# KiCad board boatcontrol.kicad_pcb (continued)
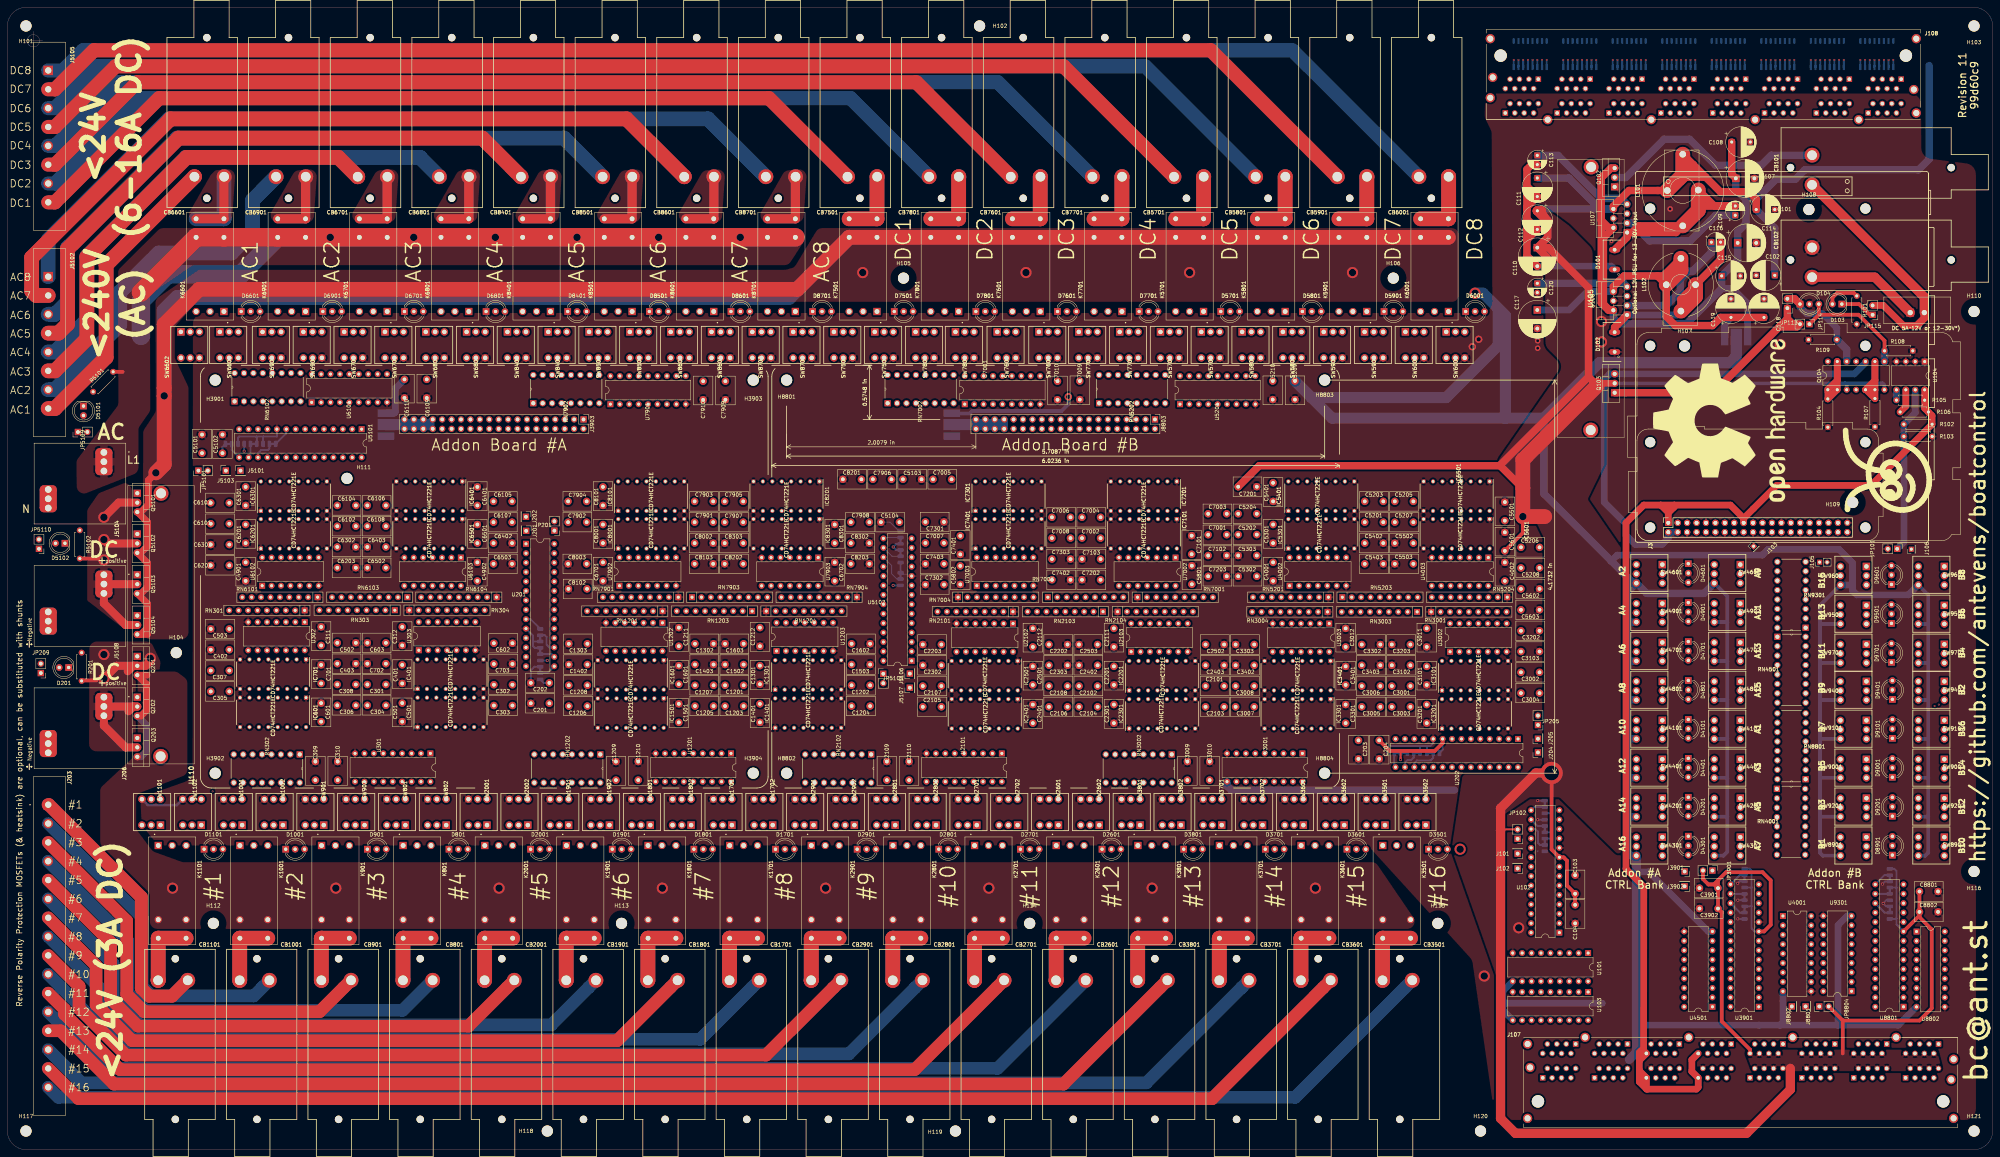
[diagram p0: board, top side]
## Routing (per net, layer and track width the routed paths; a pad name or vN(x,y) marks a point on that pad's centre or on a via; arc(x,y) is an arc through that point) (continued)
/12V DC Common Bank/12C_RAW: length 87.3
  Top w1: 26.54,116.46 J206.1_3 ; 24,126.5 20.12,126.5 R201.2
  Top w2.15: Q201.2 33.91,130.46 32.42,128.97 ; Q201.2 37.26,130.46 38.5,131.7 v2(38.5,132.5) ; Q201.2 29.46,130.46 v2(26,127) ; 32.65,118.2 33.91,119.46 Q202.2 26.04,119.46 J206.1_2 ; Q203.2 31.85,108.46 26,114.31 J206.1_3
  Bottom w2.15: Q203.2 31.85,108.46 26,114.31 J206.1_3 ; J206.1_2 26.04,119.46 Q202.2 33.91,119.46 33.17,118.73 ; 33,129.55 33.91,130.46 Q201.2 29.46,130.46 v2(26,127)
  vias: v2(26,133.5)
/12V DC Common Bank/12V DC Block 1/3AC1/DISABLED_INDICATOR: length 12.4
  In1.Cu w1: SW1101.3 38,89.25 45.5,89.25 SW1102.3
/12V DC Common Bank/12V DC Block 1/3AC1/OFF: length 59
  In1.Cu w0.25: U301.11 95.48,99.21 94.21,97.94 82.06,97.94 79.5,100.5 60.5,100.5 57.73,97.73 44.48,97.73 SW1101.4
/12V DC Common Bank/12V DC Block 1/3AC1/OFF_COIL: length 32.8
  In2.Cu w0.25: RN302.7 62.7,105.73 62.7,102.44 57.63,97.38 56.97,97.38 55.37,95.78 55.37,92.07 54.77,91.47 52.31,91.47 49.75,88.91 SW1102.2
  In2.Cu w1: SW1102.2 49.75,83.6 K1101.8
/12V DC Common Bank/12V DC Block 1/3AC1/OFF_LED: length 23.7
  In2.Cu w0.25: RN302.10 60.97,96.38 57.38,96.38 56.37,95.37 56.37,82.71 D1101.3
/12V DC Common Bank/12V DC Block 1/3AC1/OFF_TO_ON: length 16.4
  In1.Cu w1: SW1101.5 40.5,92.75 47,92.75 SW1102.1
/12V DC Common Bank/12V DC Block 1/3AC1/ON: length 48.5
  In1.Cu w0.25: U301.12 96.78,97.23 54.98,97.23 SW1102.4
/12V DC Common Bank/12V DC Block 1/3AC1/ON_COIL: length 46.9
  In1.Cu w0.25: v8(55.3,96.6) 55.3,85.78 54.4,84.87 42.3,84.87 40.65,83.22 K1101.1
  In1.Cu w1: K1101.1 38.75,83.9 SW1101.2
  In2.Cu w0.25: v8(55.3,96.6) 56.7,98 57.55,98 61,101.45 RN302.8
/12V DC Common Bank/12V DC Block 1/3AC1/ON_LED: length 22.3
  In2.Cu w0.25: D1101.1 53,82.15 55.87,85.02 55.87,95.57 57.18,96.88 58.93,96.88 RN302.9
/12V DC Common Bank/12V DC Block 1/3AC1/ON_TO_OFF: length 23.9
  In1.Cu w1: SW1101.1 43.25,87.5 45,85.75 53.85,85.75 54,85.9 54,90.25 SW1102.5
/12V DC Common Bank/12V DC Block 1/3AC1/TO_FUSE: length 37.7
  Top w4: K1101.5 K1101.4 40.65,45.7 CB1101.P1
  Bottom w4: K1101.5 K1101.4 40.65,45.7 CB1101.P1
/12V DC Common Bank/12V DC Block 1/3AC2/DISABLED_INDICATOR: length 12.4
  In1.Cu w1: SW1002.3 67.5,89.25 60,89.25 SW1001.3
/12V DC Common Bank/12V DC Block 1/3AC2/OFF: length 40
  In1.Cu w0.25: U301.13 98.82,96.73 65.48,96.73 SW1001.4
/12V DC Common Bank/12V DC Block 1/3AC2/OFF_COIL: length 27.5
  In2.Cu w0.25: SW1002.2 67.41,91.84 67.41,105.35 RN302.5
  In2.Cu w1: K1001.8 71.75,83.6 SW1002.2
/12V DC Common Bank/12V DC Block 1/3AC2/OFF_LED: length 24.6
  In2.Cu w0.25: RN302.12 71.69,95.88 74.91,95.88 75.63,95.16 75.63,85.45 D1001.3
/12V DC Common Bank/12V DC Block 1/3AC2/OFF_TO_ON: length 16.5
  In1.Cu w1: SW1002.1 74.25,87.59 69.09,92.75 62.5,92.75 SW1001.5
/12V DC Common Bank/12V DC Block 1/3AC2/ON: length 31.5
  In1.Cu w0.25: U301.14 102.66,98.04 100.83,98.04 99.03,96.23 75.98,96.23 SW1002.4
/12V DC Common Bank/12V DC Block 1/3AC2/ON_COIL: length 33.5
  In1.Cu w1: SW1001.2 60.75,83.9 K1001.1
  In2.Cu w0.25: SW1001.2 56.87,91.38 56.87,95.16 57.59,95.88 62.26,95.88 64.75,98.36 64.75,105.24 RN302.6
/12V DC Common Bank/12V DC Block 1/3AC2/ON_LED: length 26.6
  In2.Cu w0.25: RN302.11 64.63,97.49 64.63,86.37 68.8,82.2 68.8,81.35 69.5,80.65 73.5,80.65 73.85,81 D1001.1
/12V DC Common Bank/12V DC Block 1/3AC2/ON_TO_OFF: length 23.9
  In1.Cu w1: SW1002.5 76,90.25 76,85.9 75.85,85.75 67,85.75 65.25,87.5 SW1001.1
/12V DC Common Bank/12V DC Block 1/3AC2/TO_FUSE: length 37.7
  Top w4: K1001.5 K1001.4 62.6,56.95 CB1001.P1
  Bottom w4: K1001.5 K1001.4 62.6,56.95 CB1001.P1
/12V DC Common Bank/12V DC Block 1/3AC3/DISABLED_INDICATOR: length 12.4
  In1.Cu w1: SW901.3 82,89.25 89.5,89.25 SW902.3
/12V DC Common Bank/12V DC Block 1/3AC3/OFF: length 23.7
  In2.Cu w0.25: U301.15 106.38,98.08 105.3,97 87.75,97 SW901.4
/12V DC Common Bank/12V DC Block 1/3AC3/OFF_COIL: length 40.1
  In2.Cu w0.25: RN302.3 80.49,99.77 80.49,98.16 78.63,96.29 78.63,94.09 83.84,88.88 92.37,88.88 SW902.2
  In2.Cu w1: SW902.2 93.75,83.6 K901.8
/12V DC Common Bank/12V DC Block 1/3AC3/OFF_LED: length 43.9
  In2.Cu w0.25: D901.3 100.8,82.28 95.84,82.28 93.21,79.65 82.96,79.65 82.21,80.4 82.21,82.08 76.63,87.67 76.63,96.02 RN302.14
/12V DC Common Bank/12V DC Block 1/3AC3/OFF_TO_ON: length 16.5
  In1.Cu w1: SW902.1 96.25,87.59 91.09,92.75 84.5,92.75 SW901.5
/12V DC Common Bank/12V DC Block 1/3AC3/ON: length 14.6
  In1.Cu w0.25: U301.16 105.58,95.88 101.59,95.88 100.21,94.5 SW902.4
/12V DC Common Bank/12V DC Block 1/3AC3/ON_COIL: length 32.8
  In1.Cu w1: SW901.2 82.75,83.9 K901.1
  In2.Cu w0.25: RN302.4 77.57,100.16 79.36,100.16 79.99,99.53 79.99,98.36 78.13,96.5 78.13,92.12 SW901.2
/12V DC Common Bank/12V DC Block 1/3AC3/ON_LED: length 41.1
  In2.Cu w0.25: D901.1 97,79.85 96.3,79.15 82.75,79.15 81.71,80.19 81.71,81.87 81.5,82 76.13,87.37 76.13,95.37 75.12,96.38 73.73,96.38 RN302.13
/12V DC Common Bank/12V DC Block 1/3AC3/ON_TO_OFF: length 23.9
  In1.Cu w1: SW901.1 87.25,87.5 89,85.75 97.85,85.75 98,85.9 98,90.25 SW902.5
/12V DC Common Bank/12V DC Block 1/3AC3/TO_FUSE: length 37.7
  Top w4: K901.5 K901.4 84.6,56.95 CB901.P1
  Bottom w4: CB901.P1 84.6,56.95 K901.4 K901.5
/12V DC Common Bank/12V DC Block 1/3AC4/DISABLED_INDICATOR: length 12.4
  In1.Cu w1: SW802.3 111.5,89.25 104,89.25 SW801.3
/12V DC Common Bank/12V DC Block 1/3AC4/OFF: length 6.5
  In1.Cu w0.25: SW801.4 107.25,95 U301.17
/12V DC Common Bank/12V DC Block 1/3AC4/OFF_COIL: length 63.6
  In2.Cu w0.25: RN302.1 78.78,105.48 81.51,102.75 114.5,102.75 120.25,97 120.25,93.41 115.75,88.91 SW802.2
  In2.Cu w1: K801.8 115.75,83.6 SW802.2
/12V DC Common Bank/12V DC Block 1/3AC4/OFF_LED: length 65.4
  In2.Cu w0.25: RN302.16 77.63,97.79 77.63,88.09 83.21,82.5 83.21,80.81 83.37,80.65 92.8,80.65 95.5,83.35 111.05,83.35 112.8,81.6 112.8,81.35 113.5,80.65 116.17,80.65 117.8,82.28 122.8,82.28 D801.3
/12V DC Common Bank/12V DC Block 1/3AC4/OFF_TO_ON: length 16.5
  In1.Cu w1: SW801.5 106.5,92.75 113.09,92.75 118.25,87.59 SW802.1
/12V DC Common Bank/12V DC Block 1/3AC4/ON: length 6.5
  In1.Cu w0.25: SW802.4 118.25,94.96 U301.18
/12V DC Common Bank/12V DC Block 1/3AC4/ON_COIL: length 75.4
  In1.Cu w1: K801.1 104.75,83.9 SW801.2
  In2.Cu w0.25: RN302.2 80.56,102.25 114.29,102.25 119.75,96.79 119.75,93.62 116.13,90 105.84,90 104.75,88.91 SW801.2
/12V DC Common Bank/12V DC Block 1/3AC4/ON_LED: length 60.1
  In2.Cu w0.25: D801.1 117.85,81 117,80.15 105.88,80.15 103.18,82.85 95.71,82.85 93.01,80.15 83.17,80.15 82.71,80.6 82.71,82.29 82.5,82.5 82.5,82.51 77.13,87.88 77.13,98.06 RN302.15
/12V DC Common Bank/12V DC Block 1/3AC4/ON_TO_OFF: length 23.9
  In1.Cu w1: SW802.5 120,90.25 120,85.9 119.85,85.75 111,85.75 109.25,87.5 SW801.1
/12V DC Common Bank/12V DC Block 1/3AC4/TO_FUSE: length 37.7
  Top w4: K801.5 K801.4 106.6,56.95 CB801.P1
  Bottom w4: K801.5 K801.4 106.6,56.95 CB801.P1
/12V DC Common Bank/12V DC Block 1/DIG_OFF_C1: length 81
  In1.Cu w0.25: v4(130.5,155.1) 130.5,147.95 129.68,147.13 74.21,147.13 RN301.4 72.48,142.28 U302.4
  In2.Cu w0.25: U201.2 136.21,160.81 v4(130.5,155.1)
/12V DC Common Bank/12V DC Block 1/DIG_OFF_C2: length 106.3
  In1.Cu w0.25: RN301.9 59.78,144.23 65.01,139 v4(71,139)
  In2.Cu w0.25: U201.4 134.35,150.33 104.58,150.33 104,149.75 104,148.15 102.48,146.63 74.92,146.63 74.28,147.27 61.65,147.27 RN301.9 ; v4(71,139) 75.05,134.95 U302.12
/12V DC Common Bank/12V DC Block 1/DIG_OFF_C3: length 37.8
  In2.Cu w0.25: U303.4 117.2,135.94 117.2,143.04 115.92,144.32 RN304.4 117.6,147.13 136.23,147.13 U201.6
/12V DC Common Bank/12V DC Block 1/DIG_OFF_C4: length 29.1
  In1.Cu w0.25: v4(117.28,143.95) 117.28,143.61 U303.12
  In2.Cu w0.25: U201.8 138.95,144.77 131.78,144.77 129.92,146.63 124.72,146.63 RN304.7 122.36,146.63 117.9,146.63 117.28,146.01 v4(117.28,143.95)
/12V DC Common Bank/12V DC Block 1/DIG_ON_C1: length 85.1
  In1.Cu w0.25: U302.1 80.13,142.83 RN301.2 78.79,146.63 131.37,146.63 v4(132.15,145.85)
  In2.Cu w0.25: U201.1 140.8,163.35 141.3,162.85 141.3,150.05 140.65,149.4 139.21,149.4 135.66,145.85 v4(132.15,145.85)
/12V DC Common Bank/12V DC Block 1/DIG_ON_C2: length 101.8
  In1.Cu w0.25: v4(60.7,147.77) 61.26,147.22 63.04,147.22 RN301.7
  In2.Cu w0.25: U201.3 132.31,150.83 102.86,150.83 101.45,149.42 101.45,147.85 100.8,147.2 75.06,147.2 74.48,147.77 v4(60.7,147.77) ; RN301.7 66.15,144.11 66.15,135.91 U302.9
/12V DC Common Bank/12V DC Block 1/DIG_ON_C3: length 43.9
  In2.Cu w0.25: U201.5 134.19,147.63 113.02,147.63 RN304.2 112.1,144.19 112.1,137.7 110.87,136.47 U303.1
/12V DC Common Bank/12V DC Block 1/DIG_ON_C4: length 25.2
  In1.Cu w0.25: 127.44,144.27 RN304.9 126.88,143.71 125,143.71 U303.9
  In2.Cu w0.25: RN304.9 129.82,144.25 140.45,144.25 141.25,145.05 141.25,146.61 U201.7
/12V DC Common Bank/12V DC Block 1/MultiVibrator3A1/MUX_OFF: length 49.8
  In1.Cu w0.25: U301.2 116.83,112.2 130.1,112.2 133.1,115.2 133.1,125.75 131.8,127.05 123.5,127.05 IC401.5
/12V DC Common Bank/12V DC Block 1/MultiVibrator3A1/MUX_ON: length 54.7
  In1.Cu w0.25: U301.1 114,107.88 117.82,111.7 130.31,111.7 133.6,114.99 133.6,125.96 132.01,127.55 128,127.55 124.45,131.1 124.45,132.95 124.05,133.35 119.32,133.35 IC401.13
/12V DC Common Bank/12V DC Block 1/MultiVibrator3A1/R1: length 41
  In1.Cu w0.25: IC401.14 114.42,133.35 112.7,133.35 111.8,132.45 111.8,131.65 109.47,129.32 104.25,129.32 102,127.08 C301.1 ; RN303.4 96.78,141.56 99.08,139.26 99.08,128.34 v4(99.48,127.93)
  In2.Cu w0.25: C301.1 v4(99.48,127.93)
/12V DC Common Bank/12V DC Block 1/MultiVibrator3A1/R2: length 62.7
  In1.Cu w0.25: IC401.6 122.04,123.05 117.7,123.05 116.9,122.25 116.9,121.45 116,120.55 110.05,120.55 108.29,122.31 102.36,122.31 100.11,124.57 100.11,129.53 99.58,130.06 99.58,144.06 99.32,144.32 RN303.3
  In2.Cu w0.25: C302.1 134.45,127 125.99,127 IC401.6
/12V DC Common Bank/12V DC Block 1/MultiVibrator3A1/RC1: length 21.8
  In1.Cu w0.25: v4(103.4,127.55) 104.65,128.8 109.69,128.8 IC401.15
  In2.Cu w0.25: v4(103.4,127.55) 103.4,124.58 102.8,123.98 98.44,123.98 C301.2
/12V DC Common Bank/12V DC Block 1/MultiVibrator3A1/RC2: length 5.8
  In1.Cu w0.25: C302.2 126.88,125.35 IC401.7
/12V DC Common Bank/12V DC Block 1/MultiVibrator3A2/MUX_OFF: length 17.2
  In1.Cu w0.25: U301.4 112.25,112.7 119.45,112.7 IC501.5
/12V DC Common Bank/12V DC Block 1/MultiVibrator3A2/MUX_ON: length 27.5
  In1.Cu w0.25: IC501.13 116.17,119.9 113.2,119.9 109.2,115.9 109.2,111.45 105.1,107.35 105.1,106.18 105.83,105.45 107.54,105.45 U301.3
/12V DC Common Bank/12V DC Block 1/MultiVibrator3A2/R1: length 54.2
  In1.Cu w0.25: IC501.14 114.66,122.81 102.57,122.81 100.61,124.77 100.61,129.74 100.08,130.27 100.08,143.67 RN303.2
  In2.Cu w0.25: C303.1 117.72,119.75 IC501.14
/12V DC Common Bank/12V DC Block 1/MultiVibrator3A2/R2: length 54.7
  In1.Cu w0.25: RN303.5 94.24,141.91 98.38,137.77 98.38,123.42 C304.1
  In2.Cu w0.25: C304.1 102,117.45 106.46,112.99 122.28,112.99 IC501.6
/12V DC Common Bank/12V DC Block 1/MultiVibrator3A2/RC1: length 25.4
  In2.Cu w0.25: C303.2 134.3,117.95 116.98,117.95 IC501.15
/12V DC Common Bank/12V DC Block 1/MultiVibrator3A2/RC2: length 32.4
  In2.Cu w0.25: C304.2 104.31,112.49 124.32,112.49 IC501.7
/12V DC Common Bank/12V DC Block 1/MultiVibrator3A3/MUX_OFF: length 47.6
  In1.Cu w0.25: IC601.5 66.5,118.05 66.5,113.4 70.55,109.35 98.78,109.35 U301.6
/12V DC Common Bank/12V DC Block 1/MultiVibrator3A3/MUX_ON: length 33.9
  In1.Cu w0.25: IC601.13 76.94,109.85 100.82,109.85 U301.5
/12V DC Common Bank/12V DC Block 1/MultiVibrator3A3/R1: length 69.9
  In1.Cu w0.25: RN303.7 92,142.61 92,125.2 89.59,122.79 83.54,122.79 81.25,120.5 77.45,120.5 75.4,118.45 IC601.14
  In2.Cu w0.25: C305.1 62.05,116.3 73.03,116.3 IC601.14
/12V DC Common Bank/12V DC Block 1/MultiVibrator3A3/R2: length 50.2
  In1.Cu w0.25: RN303.6 92.5,144.65 92.5,123.4 C306.1 87.49,119.8 86.61,118.93 80.97,118.93 80.4,119.5 v4(79,119.5)
  In2.Cu w0.25: v4(79,119.5) 70.15,119.5 IC601.6
/12V DC Common Bank/12V DC Block 1/MultiVibrator3A3/RC1: length 23
  In2.Cu w0.25: IC601.15 73.87,118 63.94,118 59.8,122.14 C305.2
/12V DC Common Bank/12V DC Block 1/MultiVibrator3A3/RC2: length 30.7
  In1.Cu w0.25: v4(80,118.5) 80.08,118.42 92.52,118.42 C306.2
  In2.Cu w0.25: IC601.7 68.61,118.5 v4(80,118.5)
/12V DC Common Bank/12V DC Block 1/MultiVibrator3A4/MUX_OFF: length 64.8
  In1.Cu w0.25: U301.8 94.7,108.35 66.89,108.35 58.1,117.14 58.1,123.89 60.16,125.95 64.1,125.95 IC701.5
/12V DC Common Bank/12V DC Block 1/MultiVibrator3A4/MUX_ON: length 53.3
  In1.Cu w0.25: U301.7 96.74,108.85 68.35,108.85 63.95,113.25 63.95,116.21 69.05,121.31 69.05,122.45 69.65,123.05 71.68,123.05 IC701.13
/12V DC Common Bank/12V DC Block 1/MultiVibrator3A4/R1: length 62.1
  In1.Cu w0.25: RN303.8 87.42,144.65 87.5,144.65 91.5,140.65 91.5,125.41 89.38,123.29 76.34,123.29 IC701.14
  In2.Cu w0.25: C307.1 58.08,125.9 73.73,125.9 IC701.14
/12V DC Common Bank/12V DC Block 1/MultiVibrator3A4/R2: length 47.7
  In1.Cu w0.25: RN303.9 91,138.53 91,127.52 C308.1
  In2.Cu w0.25: IC701.6 71.3,128.65 74.93,128.65 75.51,128.08 86.24,128.08 C308.1
/12V DC Common Bank/12V DC Block 1/MultiVibrator3A4/RC1: length 20.2
  In2.Cu w0.25: IC701.15 74.52,127.65 61.33,127.65 C307.2
/12V DC Common Bank/12V DC Block 1/MultiVibrator3A4/RC2: length 33.4
  In2.Cu w0.25: IC701.7 69.26,128.15 74.73,128.15 75.3,127.58 85.33,127.58 87.4,125.5 87.4,124.5 88.1,123.8 92.28,123.8 C308.2
/12V DC Common Bank/12V DC Block 1/OUT_C1: length 75.1
  Top w3.5: J203.1 11.15,93 36.1,68.05 36.1,43.51 38.21,41.39 44.34,41.39 CB1101.P2
/12V DC Common Bank/12V DC Block 1/OUT_C2: length 91.5
  Bottom w3.4: J203.2 36.31,62.61 36.31,43.99 38.86,41.44 66.39,41.44 CB1001.P2
/12V DC Common Bank/12V DC Block 1/OUT_C3: length 115.6
  Top w3.4: J203.3 32.14,61.7 32.14,41.87 36.82,37.19 84.14,37.19 CB901.P2
/12V DC Common Bank/12V DC Block 1/OUT_C4: length 131.8
  Bottom w3.4: J203.4 32.4,56.36 32.4,42.37 37.24,37.53 106.48,37.53 CB801.P2
/12V DC Common Bank/12V DC Block 2/3AC1/DISABLED_INDICATOR: length 12.4
  In1.Cu w1: SW2002.3 133.5,89.25 126,89.25 SW2001.3
/12V DC Common Bank/12V DC Block 2/3AC1/OFF: length 49.9
  In1.Cu w0.25: SW2001.4 131.63,96.88 163.87,96.88 164.37,97.38 175.38,97.38 U1201.11
/12V DC Common Bank/12V DC Block 2/3AC1/OFF_COIL: length 31.3
  In2.Cu w0.25: RN1202.7 133.87,95.9 133.87,91.38 SW2002.2
  In2.Cu w1: K2001.8 137.75,83.6 SW2002.2
/12V DC Common Bank/12V DC Block 2/3AC1/OFF_LED: length 19.3
  In2.Cu w0.25: RN1202.10 143.7,98.11 143.7,83.38 D2001.3
/12V DC Common Bank/12V DC Block 2/3AC1/OFF_TO_ON: length 16.5
  In1.Cu w1: SW2002.1 140.25,87.59 135.09,92.75 128.5,92.75 SW2001.5
/12V DC Common Bank/12V DC Block 2/3AC1/ON: length 41.5
  In1.Cu w0.25: U1201.12 177.42,96.88 164.58,96.88 164.08,96.38 142.13,96.38 SW2002.4
/12V DC Common Bank/12V DC Block 2/3AC1/ON_COIL: length 31.7
  In1.Cu w1: K2001.1 126.75,83.9 SW2001.2
  In2.Cu w0.25: RN1202.8 133.37,97.94 133.37,95.54 126.75,88.91 SW2001.2
/12V DC Common Bank/12V DC Block 2/3AC1/ON_LED: length 18.4
  In2.Cu w0.25: D2001.1 142,82 RN1202.9
/12V DC Common Bank/12V DC Block 2/3AC1/ON_TO_OFF: length 23.9
  In1.Cu w1: SW2001.1 131.25,87.5 133,85.75 141.85,85.75 142,85.9 142,90.25 SW2002.5
/12V DC Common Bank/12V DC Block 2/3AC1/TO_FUSE: length 37.7
  Top w4: CB2001.P1 128.6,56.95 K2001.4 K2001.5
  Bottom w4: CB2001.P1 128.6,56.95 K2001.4 K2001.5
/12V DC Common Bank/12V DC Block 2/3AC2/DISABLED_INDICATOR: length 12.4
  In1.Cu w1: SW1902.3 155.5,89.25 148,89.25 SW1901.3
/12V DC Common Bank/12V DC Block 2/3AC2/OFF: length 33
  In1.Cu w0.25: U1201.13 179.96,96.88 178.18,96.88 177.68,96.38 164.93,96.38 164.42,95.88 154.04,95.88 152.66,94.5 SW1901.4
/12V DC Common Bank/12V DC Block 2/3AC2/OFF_COIL: length 30.4
  In2.Cu w0.25: RN1202.5 150.83,105.35 150.83,98.36 153.2,96 153.2,92.46 155.16,90.5 156.75,90.5 SW1902.2
  In2.Cu w1: K1901.8 159.75,83.6 SW1902.2
/12V DC Common Bank/12V DC Block 2/3AC2/OFF_LED: length 33.3
  In2.Cu w0.25: D1901.3 166.8,82.28 161.8,82.28 160.17,80.65 157.5,80.65 156.8,81.35 156.8,86 152.7,90.1 152.7,95.79 149.62,98.87 RN1202.12
/12V DC Common Bank/12V DC Block 2/3AC2/OFF_TO_ON: length 16.5
  In1.Cu w1: SW1901.5 150.5,92.75 157.09,92.75 162.25,87.59 SW1902.1
/12V DC Common Bank/12V DC Block 2/3AC2/ON: length 25.4
  In1.Cu w0.25: 184.04,99.21 U1201.14 182.1,96.4 182.08,96.38 178.38,96.38 177.88,95.88 167.59,95.88 166.21,94.5 SW1902.4
/12V DC Common Bank/12V DC Block 2/3AC2/ON_COIL: length 28.3
  In1.Cu w1: SW1901.2 148.75,83.9 K1901.1
  In2.Cu w0.25: SW1901.2 144.37,91.88 144.37,96.95 145.87,98.44 145.87,105.35 RN1202.6
/12V DC Common Bank/12V DC Block 2/3AC2/ON_LED: length 32.9
  In2.Cu w0.25: RN1202.11 144.87,96.74 144.87,93.84 148.82,89.89 152.2,89.89 156.3,85.79 156.3,81.14 157.29,80.15 161,80.15 161.85,81 D1901.1
/12V DC Common Bank/12V DC Block 2/3AC2/ON_TO_OFF: length 23.9
  In1.Cu w1: SW1902.5 164,90.25 164,85.9 163.85,85.75 155,85.75 153.25,87.5 SW1901.1
/12V DC Common Bank/12V DC Block 2/3AC2/TO_FUSE: length 37.7
  Top w4: K1901.5 K1901.4 150.6,56.95 CB1901.P1
  Bottom w4: CB1901.P1 150.6,56.95 K1901.4 K1901.5
/12V DC Common Bank/12V DC Block 2/3AC3/DISABLED_INDICATOR: length 12.4
  In1.Cu w1: SW1801.3 170,89.25 177.5,89.25 SW1802.3
/12V DC Common Bank/12V DC Block 2/3AC3/OFF: length 16.1
  In1.Cu w0.25: SW1801.4 177.21,94.5 178.59,95.88 184.04,95.88 U1201.15
/12V DC Common Bank/12V DC Block 2/3AC3/OFF_COIL: length 49.1
  In2.Cu w0.25: SW1802.2 178.75,90.5 165,90.5 163,92.5 155.99,92.5 155.28,93.21 155.28,97.7 155.91,98.33 155.91,105.35 RN1202.3
  In2.Cu w1: SW1802.2 181.75,83.6 K1801.8
/12V DC Common Bank/12V DC Block 2/3AC3/OFF_LED: length 49.5
  In2.Cu w0.25: 155.79,92 162.79,92 164.79,90 166.5,90 173.42,90 178.8,84.63 178.8,81.35 179.5,80.65 182.17,80.65 183.8,82.28 188.8,82.28 D1801.3 ; 155.79,92 155.78,92 ; 155.79,92 155.78,92 ; 155.78,92 154.7,93.09 RN1202.14
/12V DC Common Bank/12V DC Block 2/3AC3/OFF_TO_ON: length 16.5
  In1.Cu w1: SW1802.1 184.25,87.59 179.09,92.75 172.5,92.75 SW1801.5
/12V DC Common Bank/12V DC Block 2/3AC3/ON: length 7.6
  In1.Cu w0.25: U1201.16 185.21,94.5 SW1802.4
/12V DC Common Bank/12V DC Block 2/3AC3/ON_COIL: length 39.5
  In1.Cu w1: K1801.1 170.75,83.9 SW1801.2
  In2.Cu w0.25: SW1801.2 168.87,89.38 164.71,89.38 162.59,91.5 ; RN1202.4 153.49,105.24 153.49,98.21 154.2,97.5 154.2,92.88 155.58,91.5 162.5,91.5
/12V DC Common Bank/12V DC Block 2/3AC3/ON_LED: length 44.5
  In2.Cu w0.25: RN1202.13 152.16,98.84 152.99,98.01 152.99,98.01 153.7,97.29 153.7,92.67 155.37,91 162.38,91 171.3,82.08 171.3,80.72 171.88,80.15 183,80.15 183.85,81 D1801.1
/12V DC Common Bank/12V DC Block 2/3AC3/ON_TO_OFF: length 23.9
  In1.Cu w1: SW1802.5 186,90.25 186,85.9 185.85,85.75 177,85.75 175.25,87.5 SW1801.1
/12V DC Common Bank/12V DC Block 2/3AC3/TO_FUSE: length 37.7
  Top w4: CB1801.P1 172.6,56.95 K1801.4 K1801.5
  Bottom w4: K1801.5 K1801.4 172.6,56.95 CB1801.P1
/12V DC Common Bank/12V DC Block 2/3AC4/DISABLED_INDICATOR: length 12.4
  In1.Cu w1: SW1702.3 199.5,89.25 192,89.25 SW1701.3
/12V DC Common Bank/12V DC Block 2/3AC4/OFF: length 5.9
  In1.Cu w0.25: U1201.17 192.46,97.29 SW1701.4
/12V DC Common Bank/12V DC Block 2/3AC4/OFF_COIL: length 61.6
  In2.Cu w0.25: SW1702.2 198.75,92.5 167.71,92.5 160.99,99.21 161,102.15 159.78,103.37 RN1202.1
  In2.Cu w1: K1701.8 203.75,83.6 SW1702.2
/12V DC Common Bank/12V DC Block 2/3AC4/OFF_LED: length 63
  In2.Cu w0.25: D1701.3 210.8,82.28 205.8,82.28 204.17,80.65 201.5,80.65 200.8,81.35 200.8,84.63 193.42,92 167.5,92 163.12,96.38 162.35,96.38 RN1202.16
/12V DC Common Bank/12V DC Block 2/3AC4/OFF_TO_ON: length 16.5
  In1.Cu w1: SW1701.5 194.5,92.75 201.09,92.75 206.25,87.59 SW1702.1
/12V DC Common Bank/12V DC Block 2/3AC4/ON: length 13.2
  In1.Cu w0.25: SW1702.4 201.54,99.21 U1201.18
/12V DC Common Bank/12V DC Block 2/3AC4/ON_COIL: length 53.7
  In1.Cu w1: K1701.1 192.75,83.9 SW1701.2
  In2.Cu w0.25: SW1701.2 188.75,91.5 167.28,91.5 162.91,95.88 161.06,95.88 158.45,98.48 158.45,105.35 RN1202.2
/12V DC Common Bank/12V DC Block 2/3AC4/ON_LED: length 65
  In2.Cu w0.25: 157.24,98.26 RN1202.15 155.87,97.58 155.87,93.32 156.2,93 163.5,93 165.5,91 183.42,91 188.3,86.12 197.38,86.12 200.3,83.2 200.3,81.14 201.29,80.15 205,80.15 205.85,81 D1701.1
/12V DC Common Bank/12V DC Block 2/3AC4/ON_TO_OFF: length 23.9
  In1.Cu w1: SW1702.5 208,90.25 208,85.9 207.85,85.75 199,85.75 197.25,87.5 SW1701.1
/12V DC Common Bank/12V DC Block 2/3AC4/TO_FUSE: length 37.7
  Top w4: K1701.5 K1701.4 194.6,56.95 CB1701.P1
  Bottom w4: CB1701.P1 194.6,56.95 K1701.4 K1701.5
/12V DC Common Bank/12V DC Block 2/DIG_OFF_C1: length 31.6
  In1.Cu w0.25: U1202.4 168.93,142.07 RN1201.4 ; v4(158.99,142.91) 151.39,142.91 150,144.3 146.7,144.3 145.95,145.05 145.95,146.69 U201.22
  In2.Cu w0.25: RN1201.4 167.75,144.02 165.1,144.02 164.75,143.67 159.75,143.67 v4(158.99,142.91)
/12V DC Common Bank/12V DC Block 2/DIG_OFF_C2: length 39.6
  In1.Cu w0.25: U201.24 148.85,151.71 148.85,147.6 151.25,145.2 RN1201.9 157.41,146.38 166.95,146.38 167.6,145.73 167.6,141.25 171.45,137.4 171.45,137.35 U1202.12
/12V DC Common Bank/12V DC Block 2/DIG_OFF_C3: length 87
  In1.Cu w0.25: v4(185.48,154.2) v4(190.34,154.2) ; RN1204.4 210.2,147.12 204.56,147.12 203.54,148.14 204.8,146.88 205.16,146.88 203.64,148.39 203.64,149.51 202.8,150.35 202.18,150.35 v4(200.51,152.01) ; v4(157.35,156) 149.65,156 U201.26
  In2.Cu w0.25: v4(157.35,156) 157.88,155.47 167.3,155.47 168.15,154.62 181.37,154.62 181.79,154.2 v4(185.48,154.2) ; U1203.4 213.6,135.74 213.6,143.72 RN1204.4 ; v4(190.34,154.2) 192.53,152.01 v4(200.51,152.01)
/12V DC Common Bank/12V DC Block 2/DIG_OFF_C4: length 95.4
  In1.Cu w0.25: U1203.12 213.68,143.4 217.94,143.4 RN1204.7 ; U1203.12 212.35,142.35 ; U1203.12 212.35,140.33 210.34,138.32 200.64,138.32 199.33,139.63 188.07,139.63 184.2,143.5 184.2,146.21 183.23,147.19 183.23,155 183.45,155.22 183.45,155.75 v4(182.72,156.47) ; U201.28 v4(155.5,163.35)
  In2.Cu w0.25: v4(182.72,156.47) 159.63,156.47 158.6,157.51 158.6,160.25 v4(155.5,163.35)
/12V DC Common Bank/12V DC Block 2/DIG_ON_C1: length 32.1
  In1.Cu w0.25: U1202.1 176.53,142.68 RN1201.2 172.33,146.88 152.38,146.88 v4(151.5,146)
  In2.Cu w0.25: v4(151.5,146) 151.07,145.57 U201.21
/12V DC Common Bank/12V DC Block 2/DIG_ON_C2: length 38.6
  In1.Cu w0.25: U1202.9 163.83,139.77 162.55,141.05 162.55,143.96 RN1201.7 161.31,144.07 158.99,141.75 146.85,141.75 145.45,143.15 145.45,148.73 U201.23
/12V DC Common Bank/12V DC Block 2/DIG_ON_C3: length 77.1
  In1.Cu w0.25: U201.25 148.17,154.93 v4(156.98,154.93) ; RN1204.2 205.86,146.38 203.12,146.38 201.01,148.48 201.01,150.45 v4(200.65,150.81) ; v4(185.88,153.56) v4(189.57,153.56)
  In2.Cu w0.25: RN1204.2 208.55,143.69 208.55,141.1 207.27,139.82 U1203.1 ; v4(189.57,153.56) 192.32,150.81 v4(200.65,150.81) ; v4(185.88,153.56) 181.73,153.56 181.16,154.12 167.94,154.12 167.14,154.93 v4(156.98,154.93)
/12V DC Common Bank/12V DC Block 2/DIG_ON_C4: length 101.5
  In1.Cu w0.25: U201.27 149.01,162.45 v4(155.5,162.45) ; RN1204.9 223.22,143.6 221.5,143.6 U1203.9 219.17,141.27 219.17,141.01 215.48,137.32 200.22,137.32 199.27,138.28 187.64,138.28 187.63,138.27 181.65,144.25 181.65,146.82 182.72,147.89 v4(182.72,155.43)
  In2.Cu w0.25: v4(155.5,162.45) 158.1,159.85 158.1,157.3 159.43,155.97 182.18,155.97 v4(182.72,155.43)
/12V DC Common Bank/12V DC Block 2/MultiVibrator3A1/MUX_OFF: length 34.3
  In1.Cu w0.25: U1201.2 197.98,112.35 209.8,112.35 210.75,113.3 210.75,116.05 215.8,121.1 215.8,122.75 IC1301.5
/12V DC Common Bank/12V DC Block 2/MultiVibrator3A1/MUX_ON: length 51.3
  In1.Cu w0.25: IC1301.13 215.72,133.15 220.25,133.15 220.9,132.5 220.9,127.25 218.35,124.7 218.35,121.11 213.3,116.06 213.3,113.64 211.51,111.85 198.18,111.85 195,108.67 U1201.1
/12V DC Common Bank/12V DC Block 2/MultiVibrator3A1/R1: length 38.6
  In1.Cu w0.25: IC1301.14 207.38,127.35 200.55,127.35 C1201.1
  In2.Cu w0.25: RN1203.4 196.45,141.83 196.45,127.15 C1201.1
/12V DC Common Bank/12V DC Block 2/MultiVibrator3A1/R2: length 52
  In1.Cu w0.25: C1202.1 231.12,126.58 222.17,126.58 IC1301.6 ; v4(208.62,140.01) 207.98,139.37 201.45,139.37 RN1203.3
  In2.Cu w0.25: IC1301.6 213.15,130.5 211.89,130.5 210.7,131.69 210.7,132.56 210.12,133.14 209.22,133.14 208.62,133.74 v4(208.62,140.01)
/12V DC Common Bank/12V DC Block 2/MultiVibrator3A1/RC1: length 18.9
  In1.Cu w0.25: C1201.2 196.45,128.25 205.74,128.25 IC1301.15
/12V DC Common Bank/12V DC Block 2/MultiVibrator3A1/RC2: length 5.8
  In1.Cu w0.25: C1202.2 223.33,125.2 IC1301.7
/12V DC Common Bank/12V DC Block 2/MultiVibrator3A2/MUX_OFF: length 32.6
  In1.Cu w0.25: U1201.4 189.06,108.51 191.66,108.51 v4(195.55,112.4)
  In2.Cu w0.25: IC1401.5 215.75,112.4 v4(195.55,112.4)
/12V DC Common Bank/12V DC Block 2/MultiVibrator3A2/MUX_ON: length 30.8
  In1.Cu w0.25: IC1401.13 209.62,116.75 207.85,116.75 203.95,112.85 197.77,112.85 192.93,108.01 191.1,108.01 U1201.3
/12V DC Common Bank/12V DC Block 2/MultiVibrator3A2/R1: length 52.5
  In2.Cu w0.25: IC1401.14 207.91,117.58 195.42,117.58 C1203.1 195.25,119.6 200.3,124.65 200.3,125.65 197.02,128.93 197.02,144.06 RN1203.2